# Altium PCB LAY-94611_B.PcbDoc (part 3 of 16)
Units mil, origin at the board's own origin, x right, y up, seen from the top; angles counter-clockwise.
Board outline 4133.86 x 2559.05 mil, 10 copper layers (TOP, GND02, ART03, PWR04, PWR05, ART06, GND7, ART08, GND09, BOTTOM), stack 57.82 mil thick; 1104 components, 727 nets, 3774 pads, 1630 vias.
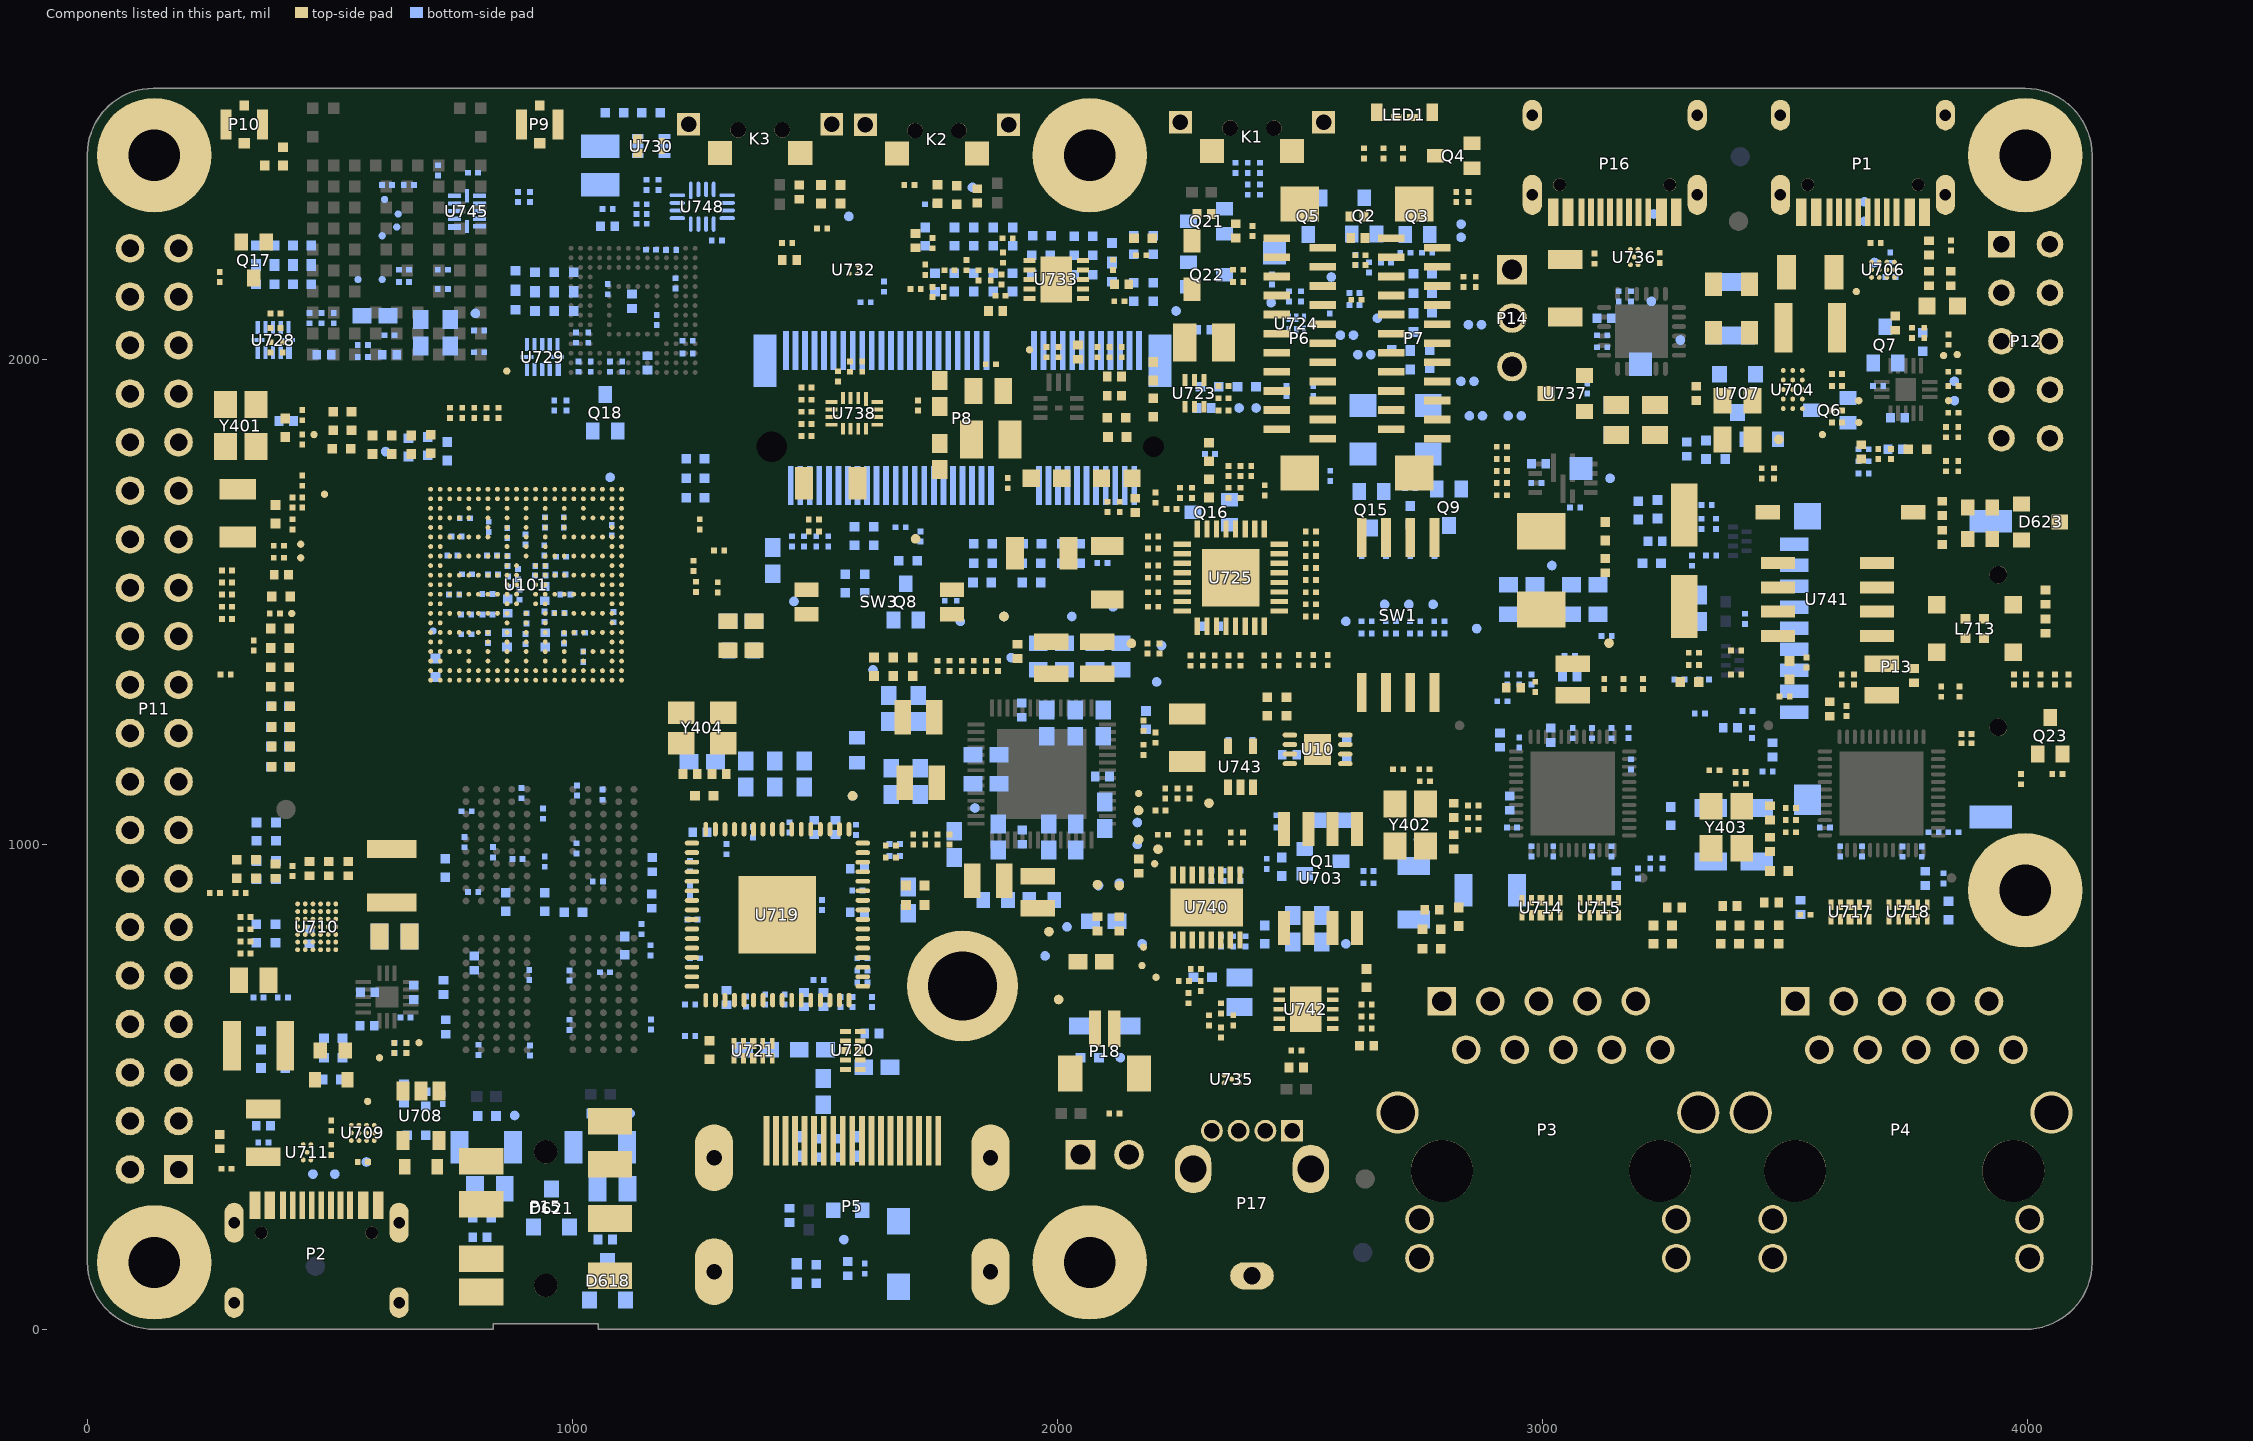
[diagram p11: the components of this part, seen from the top]

## Footprints (in the part's own frame and the unit in brackets; to place one, negate y for a bottom-side part, rotate by r counter-clockwise, add the part's x,y. Pads: shape width x height; smd on the part's side, far side on the other; paste and mask are expansions set on the pad) (continued)
QFN64_0P5_9X9_157EP [mil] "QFN64_0P5_9X9_157EP"
  oval 10x30 smd: 1(-147.64,-176.18) 2(-127.95,-176.18) 3(-108.27,-176.18) 4(-88.58,-176.18) 5(-68.9,-176.18) 6(-49.21,-176.18) 7(-29.53,-176.18) 8(-9.84,-176.18) 9(9.84,-176.18) 10(29.53,-176.18) 11(49.21,-176.18) 12(68.9,-176.18) 13(88.58,-176.18) 14(108.27,-176.18) 15(127.95,-176.18) 16(147.64,-176.18) 33(147.64,176.18) 34(127.95,176.18) 35(108.27,176.18) 36(88.58,176.18) 37(68.9,176.18) 38(49.21,176.18) 39(29.53,176.18) 40(9.84,176.18) 41(-9.84,176.18) 42(-29.53,176.18) 43(-49.21,176.18) 44(-68.9,176.18) 45(-88.58,176.18) 46(-108.27,176.18) 47(-127.95,176.18) 48(-147.64,176.18)
  oval 30x10 smd: 17(176.18,-147.64) 18(176.18,-127.95) 19(176.18,-108.27) 20(176.18,-88.58) 21(176.18,-68.9) 22(176.18,-49.21) 23(176.18,-29.53) 24(176.18,-9.84) 25(176.18,9.84) 26(176.18,29.53) 27(176.18,49.21) 28(176.18,68.9) 29(176.18,88.58) 30(176.18,108.27) 31(176.18,127.95) 32(176.18,147.64) 49(-176.18,147.64) 50(-176.18,127.95) 51(-176.18,108.27) 52(-176.18,88.58) 53(-176.18,68.9) 54(-176.18,49.21) 55(-176.18,29.53) 56(-176.18,9.84) 57(-176.18,-9.84) 58(-176.18,-29.53) 59(-176.18,-49.21) 60(-176.18,-68.9) 61(-176.18,-88.58) 62(-176.18,-108.27) 63(-176.18,-127.95) 64(-176.18,-147.64)
  rect 160x160 smd paste-99999: 65(0,0)
  TOP keep-out region: -98.43,90.55 -98.43,-90.55 -90.55,-90.55 -90.55,90.55
  TOP keep-out region: 90.55,90.55 90.55,102.36 -98.43,102.36 -98.43,90.55
  TOP keep-out region: 98.43,-90.55 98.43,98.43 98.43,102.36 90.55,102.36 90.55,98.43 90.55,-90.55
  TOP keep-out region: -98.43,-90.55 -98.43,-98.43 98.43,-98.43 98.43,-90.55
  silkscreen extent -242,-242 242,242, body extent -177,-177 177,177, height 33
R0201 [mil] "R0201"
  rect 12x12 smd: 1(10.51,0) 2(-10.51,0)
  TOP keep-out region: 2.64,-7.87 2.64,7.87 -2.64,7.87 -2.64,-7.87
  TOP keep-out region: 2.64,-7.87 2.64,7.87 -2.64,7.87 -2.64,-7.87
  body extent -13,-6 13,6, height 13
R0402 [mil] "R0402"
  rect 20x20 smd: 1(-20,0) 2(18,0)
  silkscreen extent -34,-17 34,17, body extent -20,-10 20,10, height 16
R0603 [mil] "R0603"
  rect 28x33 smd: 1(-25.59,0) 2(25.59,0)
  silkscreen extent -40,-25 40,25, body extent -33,-16 33,16, height 22
R0805 [mil] "R0805"
  rect 37x53 smd: 1(-30.71,0) 2(30.71,0)
  silkscreen extent -50,-36 50,36, body extent -45,-27 45,27, height 30
R1206 [mil] "R1206"
  rect 37x67 smd: 1(-55.12,0) 2(55.12,0)
  silkscreen extent -74,-42 74,42, body extent -66,-34 66,34, height 33
RJ45-GIGABIT [mil] "RJ45-GIGABIT"
  rect 59x59 / inner round 59 / far side rect 59x59 hole 40: 1(218.69,-354.93)
  round 59 hole 40: 2(168.69,-254.93) 3(118.69,-354.93) 4(68.69,-254.93) 5(18.69,-354.93) 6(-31.31,-254.93) 7(-81.31,-354.93) 8(-131.31,-254.93) 9(-181.31,-354.93) 10(-231.31,-254.93)
  round 59 hole 44: 11(264.75,95.07) 12(264.75,174.99) 13(-264.78,95.07) 14(-264.78,174.99)
  round 128 hole 128 unplated: M1(-231.31,-4.93) M2(218.69,-4.93)
  round 87 hole 71: SH1(310.03,-125.01) SH2(-310.05,-125.01)
  silkscreen extent -314,-420 314,420, body extent -318,-417 307,425, height 532
SC70-5 [mil] "SC70-5"
  rect 16x32 smd: 1(-25.3,-42.5) 2(0.3,-42.5) 3(25.9,-42.5) 4(25.9,42.5) 5(-25.3,42.5)
  silkscreen extent -50,-34 51,34, body extent -41,-45 41,45, height 39
SC70_3 [mil] "SC70_3"
  rect 28x35 smd: 1(-25.5,-37.47) 2(25.5,-37.47) 3(0,37.47)
  silkscreen extent -50,-34 50,34, body extent -41,-45 41,45, height 39
SH_2P [mil] "SH_2P"
  rect 25x75 smd: 1(-19.69,47.24) 2(19.69,47.24)
  rect 50x75 smd: ""(-70.87,-45.28) ""(70.87,-45.28)
  silkscreen extent -83,-85 83,45, body extent -79,-81 79,61, height 171
SKT_BGA306_0P5_SQ16P23_ELAST_NSP [mil] "SKT_BGA306_0P5_SQ16P23_ELAST_NSP"
  round 10 smd: A1(168.08,187.01) A2(168.08,167.33) A3(168.08,147.64) A4(168.08,127.96) A5(168.08,108.27) A6(168.08,88.59) A7(168.08,68.9) A8(168.08,49.22) A9(168.08,29.53) A10(168.08,9.85) A11(168.08,-9.84) A12(168.08,-29.53) A13(168.08,-49.21) A14(168.08,-68.9) A15(168.08,-88.58) A16(168.08,-108.27) A17(168.08,-127.95) A18(168.08,-147.64) A19(168.08,-167.32) A20(168.08,-187.01) A21(168.08,-206.69) AA1(-225.62,187.01) AA2(-225.62,167.33) AA3(-225.62,147.64) AA4(-225.62,127.96) AA5(-225.62,108.27) AA6(-225.62,88.59) AA7(-225.62,68.9) AA8(-225.62,49.22) AA9(-225.62,29.53) AA10(-225.62,9.85) AA11(-225.62,-9.84) AA12(-225.62,-29.53) AA13(-225.62,-49.21) AA14(-225.62,-68.9) AA15(-225.62,-88.58) AA16(-225.62,-108.27) AA17(-225.62,-127.95) AA18(-225.62,-147.64) AA19(-225.62,-167.32) AA20(-225.62,-187.01) AA21(-225.62,-206.69) B1(148.4,187.01) B2(148.4,167.33) B3(148.4,147.64) B4(148.4,127.96) B5(148.4,108.27) B6(148.4,88.59) B7(148.4,68.9) B8(148.4,49.22) B9(148.4,29.53) B10(148.4,9.85) B11(148.4,-9.84) B12(148.4,-29.53) B13(148.4,-49.21) B14(148.4,-68.9) B15(148.4,-88.58) B16(148.4,-108.27) B17(148.4,-127.95) B18(148.4,-147.64) B19(148.4,-167.32) B20(148.4,-187.01) B21(148.4,-206.69) C1(128.71,187.01) C2(128.71,167.33) C4(128.71,127.96) C6(128.71,88.59) C8(128.71,49.22) C10(128.71,9.85) C11(128.71,-9.84) C12(128.71,-29.53) C14(128.71,-68.9) C16(128.71,-108.27) C18(128.71,-147.64) C20(128.71,-187.01) C21(128.71,-206.69) D1(109.03,187.01) D2(109.03,167.33) D4(109.03,127.96) D6(109.03,88.59) D8(109.03,49.22) D10(109.03,9.85) D12(109.03,-29.53) D14(109.03,-68.9) D16(109.03,-108.27) D18(109.03,-147.64) D20(109.03,-187.01) D21(109.03,-206.69) E1(89.34,187.01) E2(89.34,167.33) E3(89.34,147.64) E4(89.34,127.96) E6(89.34,88.59) E8(89.34,49.22) E10(89.34,9.85) E12(89.34,-29.53) E14(89.34,-68.9) E16(89.34,-108.27) E18(89.34,-147.64) E19(89.34,-167.32) E20(89.34,-187.01) E21(89.34,-206.69) F1(69.66,187.01) F2(69.66,167.33) F6(69.66,88.59) F8(69.66,49.22) F10(69.66,9.85) F12(69.66,-29.53) F14(69.66,-68.9) F16(69.66,-108.27) F20(69.66,-187.01) F21(69.66,-206.69) G1(49.97,187.01) G2(49.97,167.33) G3(49.97,147.64) G4(49.97,127.96) G5(49.97,108.27) G6(49.97,88.59) G8(49.97,49.22) G10(49.97,9.85) G12(49.97,-29.53) G14(49.97,-68.9) G16(49.97,-108.27) G17(49.97,-127.95) G18(49.97,-147.64) G19(49.97,-167.32) G20(49.97,-187.01) G21(49.97,-206.69) H1(30.29,187.01) H2(30.29,167.33) H8(30.29,49.22) H10(30.29,9.85) H12(30.29,-29.53) H14(30.29,-68.9) H20(30.29,-187.01) H21(30.29,-206.69) J1(10.6,187.01) J2(10.6,167.33) J3(10.6,147.64) J4(10.6,127.96) J5(10.6,108.27) J6(10.6,88.59) J7(10.6,68.9) J8(10.6,49.22) J9(10.6,29.53) J10(10.6,9.85) J11(10.6,-9.84) J12(10.6,-29.53) J13(10.6,-49.21) J14(10.6,-68.9) J15(10.6,-88.58) J16(10.6,-108.27) J17(10.6,-127.95) J18(10.6,-147.64) J19(10.6,-167.32) J20(10.6,-187.01) J21(10.6,-206.69) K1(-9.08,187.01) K2(-9.08,167.33) K9(-9.08,29.53) K10(-9.08,9.85) K11(-9.08,-9.84) K12(-9.08,-29.53) K13(-9.08,-49.21) K20(-9.08,-187.01) K21(-9.08,-206.69) L1(-28.77,187.01) L2(-28.77,167.33) L3(-28.77,147.64) L4(-28.77,127.96) L5(-28.77,108.27) L6(-28.77,88.59) L7(-28.77,68.9) L8(-28.77,49.22) L14(-28.77,-68.9) L15(-28.77,-88.58) L16(-28.77,-108.27) L17(-28.77,-127.95) L18(-28.77,-147.64) L19(-28.77,-167.32) L20(-28.77,-187.01) L21(-28.77,-206.69) M1(-48.45,187.01) M2(-48.45,167.33) M9(-48.45,29.53) M10(-48.45,9.85) M11(-48.45,-9.84) M12(-48.45,-29.53) M13(-48.45,-49.21) M20(-48.45,-187.01) M21(-48.45,-206.69) N1(-68.14,187.01) N2(-68.14,167.33) N3(-68.14,147.64) N4(-68.14,127.96) N5(-68.14,108.27) N6(-68.14,88.59) N7(-68.14,68.9) N8(-68.14,49.22) N9(-68.14,29.53) N10(-68.14,9.85) N11(-68.14,-9.84) N12(-68.14,-29.53) N13(-68.14,-49.21) N14(-68.14,-68.9) N15(-68.14,-88.58) N16(-68.14,-108.27) N17(-68.14,-127.95) N18(-68.14,-147.64) N19(-68.14,-167.32) N20(-68.14,-187.01) N21(-68.14,-206.69) P1(-87.82,187.01) P2(-87.82,167.33) P8(-87.82,49.22) P10(-87.82,9.85) P12(-87.82,-29.53) P14(-87.82,-68.9) P20(-87.82,-187.01) P21(-87.82,-206.69) R1(-107.51,187.01) R2(-107.51,167.33) R3(-107.51,147.64) R4(-107.51,127.96) R5(-107.51,108.27) R6(-107.51,88.59) R8(-107.51,49.22) R10(-107.51,9.85) R12(-107.51,-29.53) R14(-107.51,-68.9) R16(-107.51,-108.27) R17(-107.51,-127.95) R18(-107.51,-147.64) R19(-107.51,-167.32) R20(-107.51,-187.01) R21(-107.51,-206.69) T1(-127.19,187.01) T2(-127.19,167.33) T6(-127.19,88.59) T8(-127.19,49.22) T10(-127.19,9.85) T12(-127.19,-29.53) T14(-127.19,-68.9) T16(-127.19,-108.27) T20(-127.19,-187.01) T21(-127.19,-206.69) U1(-146.88,187.01) U2(-146.88,167.33) U3(-146.88,147.64) U4(-146.88,127.96) U6(-146.88,88.59) U8(-146.88,49.22) U10(-146.88,9.85) U12(-146.88,-29.53) U14(-146.88,-68.9) U16(-146.88,-108.27) U18(-146.88,-147.64) U19(-146.88,-167.32) U20(-146.88,-187.01) U21(-146.88,-206.69) V1(-166.56,187.01) V2(-166.56,167.33) V4(-166.56,127.96) V6(-166.56,88.59) V8(-166.56,49.22) V10(-166.56,9.85) V12(-166.56,-29.53) V14(-166.56,-68.9) V16(-166.56,-108.27) V18(-166.56,-147.64) V20(-166.56,-187.01) V21(-166.56,-206.69) W1(-186.25,187.01) W2(-186.25,167.33) W4(-186.25,127.96) W6(-186.25,88.59) W8(-186.25,49.22) W10(-186.25,9.85) W11(-186.25,-9.84) W12(-186.25,-29.53) W14(-186.25,-68.9) W16(-186.25,-108.27) W18(-186.25,-147.64) W20(-186.25,-187.01) W21(-186.25,-206.69) Y1(-205.93,187.01) Y2(-205.93,167.33) Y3(-205.93,147.64) Y4(-205.93,127.96) Y5(-205.93,108.27) Y6(-205.93,88.59) Y7(-205.93,68.9) Y8(-205.93,49.22) Y9(-205.93,29.53) Y10(-205.93,9.85) Y11(-205.93,-9.84) Y12(-205.93,-29.53) Y13(-205.93,-49.21) Y14(-205.93,-68.9) Y15(-205.93,-88.58) Y16(-205.93,-108.27) Y17(-205.93,-127.95) Y18(-205.93,-147.64) Y19(-205.93,-167.32) Y20(-205.93,-187.01) Y21(-205.93,-206.69)
  silkscreen extent -245,-226 207,226, body extent -245,-226 188,207, height 48
SMD_RGB_1_5X3 [mil] "SMD_RGB_1_5X3"
  rect 24x36 smd: 1(-57.09,4.92) 4(57.09,4.92)
  rect 22x14 smd: 2(-16.73,15.75) 3(16.73,15.75)
  silkscreen extent -79,-41 79,71, body extent -59,-30 59,17, height 41
SO16_0P5_3P5X4P5_MM [mil] "SO16_0P5_3P5X4P5_MM"
  rect 35x11 smd: 1(-66.93,68.9) 2(-66.93,49.21) 3(-66.93,29.53) 4(-66.93,9.84) 5(-66.93,-9.84) 6(-66.93,-29.53) 7(-66.93,-49.21) 8(-66.93,-68.9) 9(66.93,-68.9) 10(66.93,-49.21) 11(66.93,-29.53) 12(66.93,-9.84) 13(66.93,9.84) 14(66.93,29.53) 15(66.93,49.21) 16(66.93,68.9)
  rect 78.74x149.61 smd paste-99999: 17(0,0)
  silkscreen extent -76,-96 76,96, body extent -69,-89 69,89, height 60
SOD323 [mil] "SOD323"
  rect 35x48 smd: A(0,50) C(0,-50)
  silkscreen extent -34,-43 34,43, body extent -27,-51 27,51, height 43
SOD523 [mil] "SOD523"
  rect 24x32 smd: A(33.46,-0.2) C(-33.46,-0.2)
  silkscreen extent -37,-24 53,129, body extent -31,-16 31,16, height 28
SOD_123 [mil] "SOD_123"
  rect 55x47 smd: 1(-67.5,0) 2(67.5,0)
  silkscreen extent -74,-49 43,45, body extent -77,-35 77,35, height 46
SOP8_1_27 [mil] "SOP8_1_27"
  rect 25x70 smd: 1(-75,-102.13) 2(-25,-102.13) 3(25,-102.13) 4(75,-102.13) 5(75,102.13) 6(25,102.13) 7(-25,102.13) 8(-75,102.13)
  silkscreen extent -98,-173 98,79, body extent -98,-95 98,95, height 46
SOT23_A [mil] "SOT23_A"
  rect 31x35 smd: 1(-37,-39.5) 2(37,-39.5) 3(0,39.5)
  silkscreen extent -67,-34 67,35, body extent -57,-49 57,48, height 41
SOT563 [mil] "SOT563"
  rect 24x10 smd: 1(-27.56,17.86) 2(-27.56,-1.83) 3(-27.56,-21.51) 4(27.56,-21.51) 5(27.56,-1.83) 6(27.56,17.86)
  silkscreen extent -33,-35 12,36, body extent -32,-33 32,30, height 23
SOT-23-5 [mil] "SOT-23-5"
  rect 27x39 smd: 1(-36.5,-51) 2(1,-51) 3(38.5,-51) 4(38.5,51) 5(-36.5,51)
  silkscreen extent -65,-41 67,41, body extent -59,-55 59,55, height 46
SW_2P8X5P4_SM [mil] "SW_2P8X5P4_SM"
  rect 30x50 smd: 1(0,-150) 2(0,150)
  silkscreen extent -63,-112 63,112, body extent -48,-170 48,170, height 103
SW_CHS_04_A [mil] "SW_CHS_04_A"
  rect 80x20 smd: 1(-160,75) 2(160,75) 3(-160,25) 4(160,25) 5(-160,-25) 6(160,-25) 7(-160,-75) 8(160,-75)
  silkscreen extent -114,-123 114,123, body extent -166,-123 166,123, height 105
SW_SMT_4 [mil] "SW_SMT_4"
  rect 30x50 smd: 1(-25.79,-150) 2(24.21,-150) 3(24.21,150) 4(-25.79,150)
  silkscreen extent -90,-209 89,112, body extent -73,-166 73,166, height 103
TDFN_3X3_10L [mil] "TDFN_3X3_10L"
  rect 10x24 smd: 1(-39.37,-55.12) 2(-19.69,-55.12) 3(0,-55.12) 4(19.69,-55.12) 5(39.37,-55.12) 6(39.37,55.12) 7(19.69,55.12) 8(0,55.12) 9(-19.69,55.12) 10(-39.37,55.12)
  rect 94.49x64.96 smd: 11(0,0)
  silkscreen extent -81,-130 65,81, body extent -61,-61 61,61, height 31
TPAD_015 [mil] "TPAD_015"
  round 15 smd paste-99999: 1(0,0)
TPAD_020 [mil] "TPAD_020"
  round 20 smd paste-99999: 1(0,0)
TPAD_1212 [mil] "TPAD_1212"
  rect 48x48 smd: 1(0,0)
TYPEC_16P_S [mil] "TYPEC_16P_S"
  rect 22x57 smd: A1(-126.97,147.44) A4(-96.46,147.44) B1(126.97,147.44) B4(96.45,147.44)
  rect 12x57 smd: A5(-49.22,147.44) A6(-9.85,147.44) A7(9.84,147.44) A8(49.21,147.44) A9(96.45,147.44) A12(126.97,147.44) B5(68.89,147.44) B6(29.52,147.44) B7(-29.53,147.44) B8(-68.9,147.44) B9(-96.46,147.44) B12(-126.97,147.44)
  oval 39.37x82.68 hole 23.62 slot 66.93 at 90 deg: E1(-170.08,111.42) E2(170.08,111.42)
  oval 39.37x62.99 hole 23.62 slot 47.24 at 90 deg: E3(-170.08,-53.15) E4(170.08,-53.15)
  round 26 hole 26 unplated: H1(-113.78,90.55) H2(113.78,90.55)
  silkscreen extent -176,-156 176,57, body extent -176,-157 176,142, height 125
UDFN6_0P4_1P2X1 [mil] "UDFN6_0P4_1P2X1"
  rect 18x9 smd: 1(12.06,-15.75)
  rect 17x9 smd: 2(12.56,0) 3(12.56,15.75) 4(-12.56,15.75) 5(-12.56,0) 6(-12.56,-15.75)
  silkscreen extent -20,-31 20,31, body extent -20,-24 20,24, height 22
UDFN-8P [mil] "UDFN-8P"
  oval 10x30 smd: 1(-29.53,-57.09) 2(-9.84,-57.09) 3(9.84,-57.09) 4(29.53,-57.09) 5(29.53,57.09) 6(9.84,57.09) 7(-9.84,57.09) 8(-29.53,57.09)
  rect 64x56 smd: 9(0,0)
  silkscreen extent -47,-113 47,83, body extent -39,-59 39,59, height 24
UQFN12_1P7X2MM [mil] "UQFN12_1P7X2MM"
  rect 27x12 smd: 1(25.89,-33.07)
  rect 27.17x8.66 smd: 2(25.89,-15.75) 3(25.89,0) 4(25.89,15.75) 5(25.89,31.5) 7(-25.69,31.5) 8(-25.69,15.75) 9(-25.69,0) 10(-25.69,-15.75) 11(-25.69,-31.5)
  rect 8.66x27.17 smd: 6(0.1,31.69) 12(0.1,-31.69)
  silkscreen extent -34,-53 35,52, body extent -33,-39 34,39, height 22
UQFN16_26X18 [mil] "UQFN16_26X18"
  rect 28x8 smd: 1(-29.52,23.62)
  rect 24x8 smd: 2(-31.49,7.87) 3(-31.49,-7.88) 4(-31.49,-23.62) 9(31.5,-23.62) 10(31.5,-7.88) 11(31.5,7.87) 12(31.5,23.62)
  rect 8x24 smd: 5(-23.62,-47.25) 6(-7.87,-47.25) 7(7.88,-47.25) 8(23.63,-47.25) 13(23.63,47.24) 14(7.88,47.24) 15(-7.87,47.24) 16(-23.62,47.24)
  silkscreen extent -58,-50 38,52, body extent -36,-52 36,52, height 24
UQFN32_0P5_5X5_EP3X3 [mil] "UQFN32_0P5_5X5_EP3X3"
  rect 36x11 smd: 1(-100.39,68.9) 2(-100.39,49.21) 3(-100.39,29.53) 4(-100.39,9.84) 5(-100.39,-9.84) 6(-100.39,-29.53) 7(-100.39,-49.21) 8(-100.39,-68.9) 17(100.39,-68.9) 18(100.39,-49.21) 19(100.39,-29.53) 20(100.39,-9.84) 21(100.39,9.84) 22(100.39,29.53) 23(100.39,49.21) 24(100.39,68.9)
  rect 11x36 smd: 9(-68.9,-100.39) 10(-49.21,-100.39) 11(-29.53,-100.39) 12(-9.84,-100.39) 13(9.84,-100.39) 14(29.53,-100.39) 15(49.21,-100.39) 16(68.9,-100.39) 25(68.9,100.39) 26(49.21,100.39) 27(29.53,100.39) 28(9.84,100.39) 29(-9.84,100.39) 30(-29.53,100.39) 31(-49.21,100.39) 32(-68.9,100.39)
  rect 118x118 smd paste-99999: 33(0,0)
  silkscreen extent -108,-107 107,107, body extent -98,-98 98,98, height 33
USB_A_V [mil] "USB_A_V"
  rect 45x45 / inner round 45 / far side rect 45x45 hole 32: 1(82.68,220.47)
  round 45 hole 32: 2(27.56,220.47) 3(-27.56,220.47) 4(-82.68,220.47)
  oval 75x100 hole 55 slot 80 at 90 deg: 5(-121.26,141.73) 6(121.26,141.73)
  oval 90x56 hole 36 slot 70 at 0 deg: ""(0,-78.74)
  silkscreen extent -116,-274 164,274, body extent -148,-274 156,278, height 569
USON-10 [mil] "USON-10"
  rect 10x22 smd: 1(-39.37,-15.17) 2(-19.69,-15.17) 4(19.68,-15.17) 5(39.37,-15.17) 6(39.37,15.15) 7(19.68,15.15) 9(-19.69,15.15) 10(-39.37,15.15)
  rect 14x22 smd: 3(0,-15.17) 8(0,15.15)
  silkscreen extent -52,-44 52,22, body extent -51,-22 51,22, height 22
WLCSP5_0P4_0P82X1P22 [mil] "WLCSP5_0P4_0P82X1P22"
  round 10 smd: A1(-7.87,15.75) A2(7.87,15.75) B1(0,0) C1(-7.87,-15.75) C2(7.87,-15.75)
  silkscreen extent -23,-31 23,31, body extent -15,-23 16,23, height 24
WLCSP12_0P4_1P3X1P7MM_SMDP [mil] "WLCSP12_0P4_1P3X1P7MM_SMDP"
  round 10 smd: A1(-15.75,23.62) A2(0,23.62) A3(15.75,23.62) B1(-15.75,7.87) B2(0,7.87) B3(15.75,7.87) C1(-15.75,-7.87) C2(0,-7.87) C3(15.75,-7.87) D1(-15.75,-23.62) D2(0,-23.62) D3(15.75,-23.62)
  silkscreen extent -33,-40 33,40, body extent -25,-33 25,33, height 22
WLCSP15_0P5_1P57X2P59 [mil] "WLCSP15_0P5_1P57X2P59"
  round 10 smd: A1(19.69,39.37) A2(0,39.37) A3(-19.69,39.37) B1(19.69,19.69) B2(0,19.69) B3(-19.69,19.69) C1(19.69,0) C2(0,0) C3(-19.69,0) D1(19.69,-19.69) D2(0,-19.69) D3(-19.69,-19.69) E1(19.69,-39.37) E2(0,-39.37) E3(-19.69,-39.37)
  silkscreen extent -38,-58 38,58, body extent -30,-50 30,50, height 23
WLCSP42_0P4_2P94X2P54_SMDP [mil] "WLCSP42_0P4_2P94X2P54_SMDP"
  round 10 smd: A1(-39.37,47.24) A2(-23.62,47.24) A3(-7.87,47.24) A4(7.87,47.24) A5(23.62,47.24) A6(39.37,47.24) B1(-39.37,31.5) B2(-23.62,31.5) B3(-7.87,31.5) B4(7.87,31.5) B5(23.62,31.5) B6(39.37,31.5) C1(-39.37,15.75) C2(-23.62,15.75) C3(-7.87,15.75) C4(7.87,15.75) C5(23.62,15.75) C6(39.37,15.75) D1(-39.37,0) D2(-23.62,0) D3(-7.87,0) D4(7.87,0) D5(23.62,0) D6(39.37,0) E1(-39.37,-15.75) E2(-23.62,-15.75) E3(-7.87,-15.75) E4(7.87,-15.75) E5(23.62,-15.75) E6(39.37,-15.75) F1(-39.37,-31.5) F2(-23.62,-31.5) F3(-7.87,-31.5) F4(7.87,-31.5) F5(23.62,-31.5) F6(39.37,-31.5) G1(-39.37,-47.24) G2(-23.62,-47.24) G3(-7.87,-47.24) G4(7.87,-47.24) G5(23.62,-47.24) G6(39.37,-47.24)
  silkscreen extent -57,-65 57,65, body extent -49,-57 49,57, height 22
WLCSP_0_8_4B [mil] "WLCSP_0_8_4B"
  round 8 smd: A1(-7.87,7.87) A2(7.87,7.87) B1(-7.87,-7.87) B2(7.87,-7.87)
  silkscreen extent -28,-20 20,28, body extent -16,-16 16,16, height 20
XQFN16 [mil] "XQFN16"
  oval 8x36 smd: 1(-23.62,-33.72)
  oval 8x32 smd: 2(-7.87,-35.69) 3(7.87,-35.69) 4(23.62,-35.69) 9(23.62,35.69) 10(7.87,35.69) 11(-7.87,35.69) 12(-23.62,35.69)